# Altium PCB SPG300 Rev05.PcbDoc (part 5 of 8) (continued)
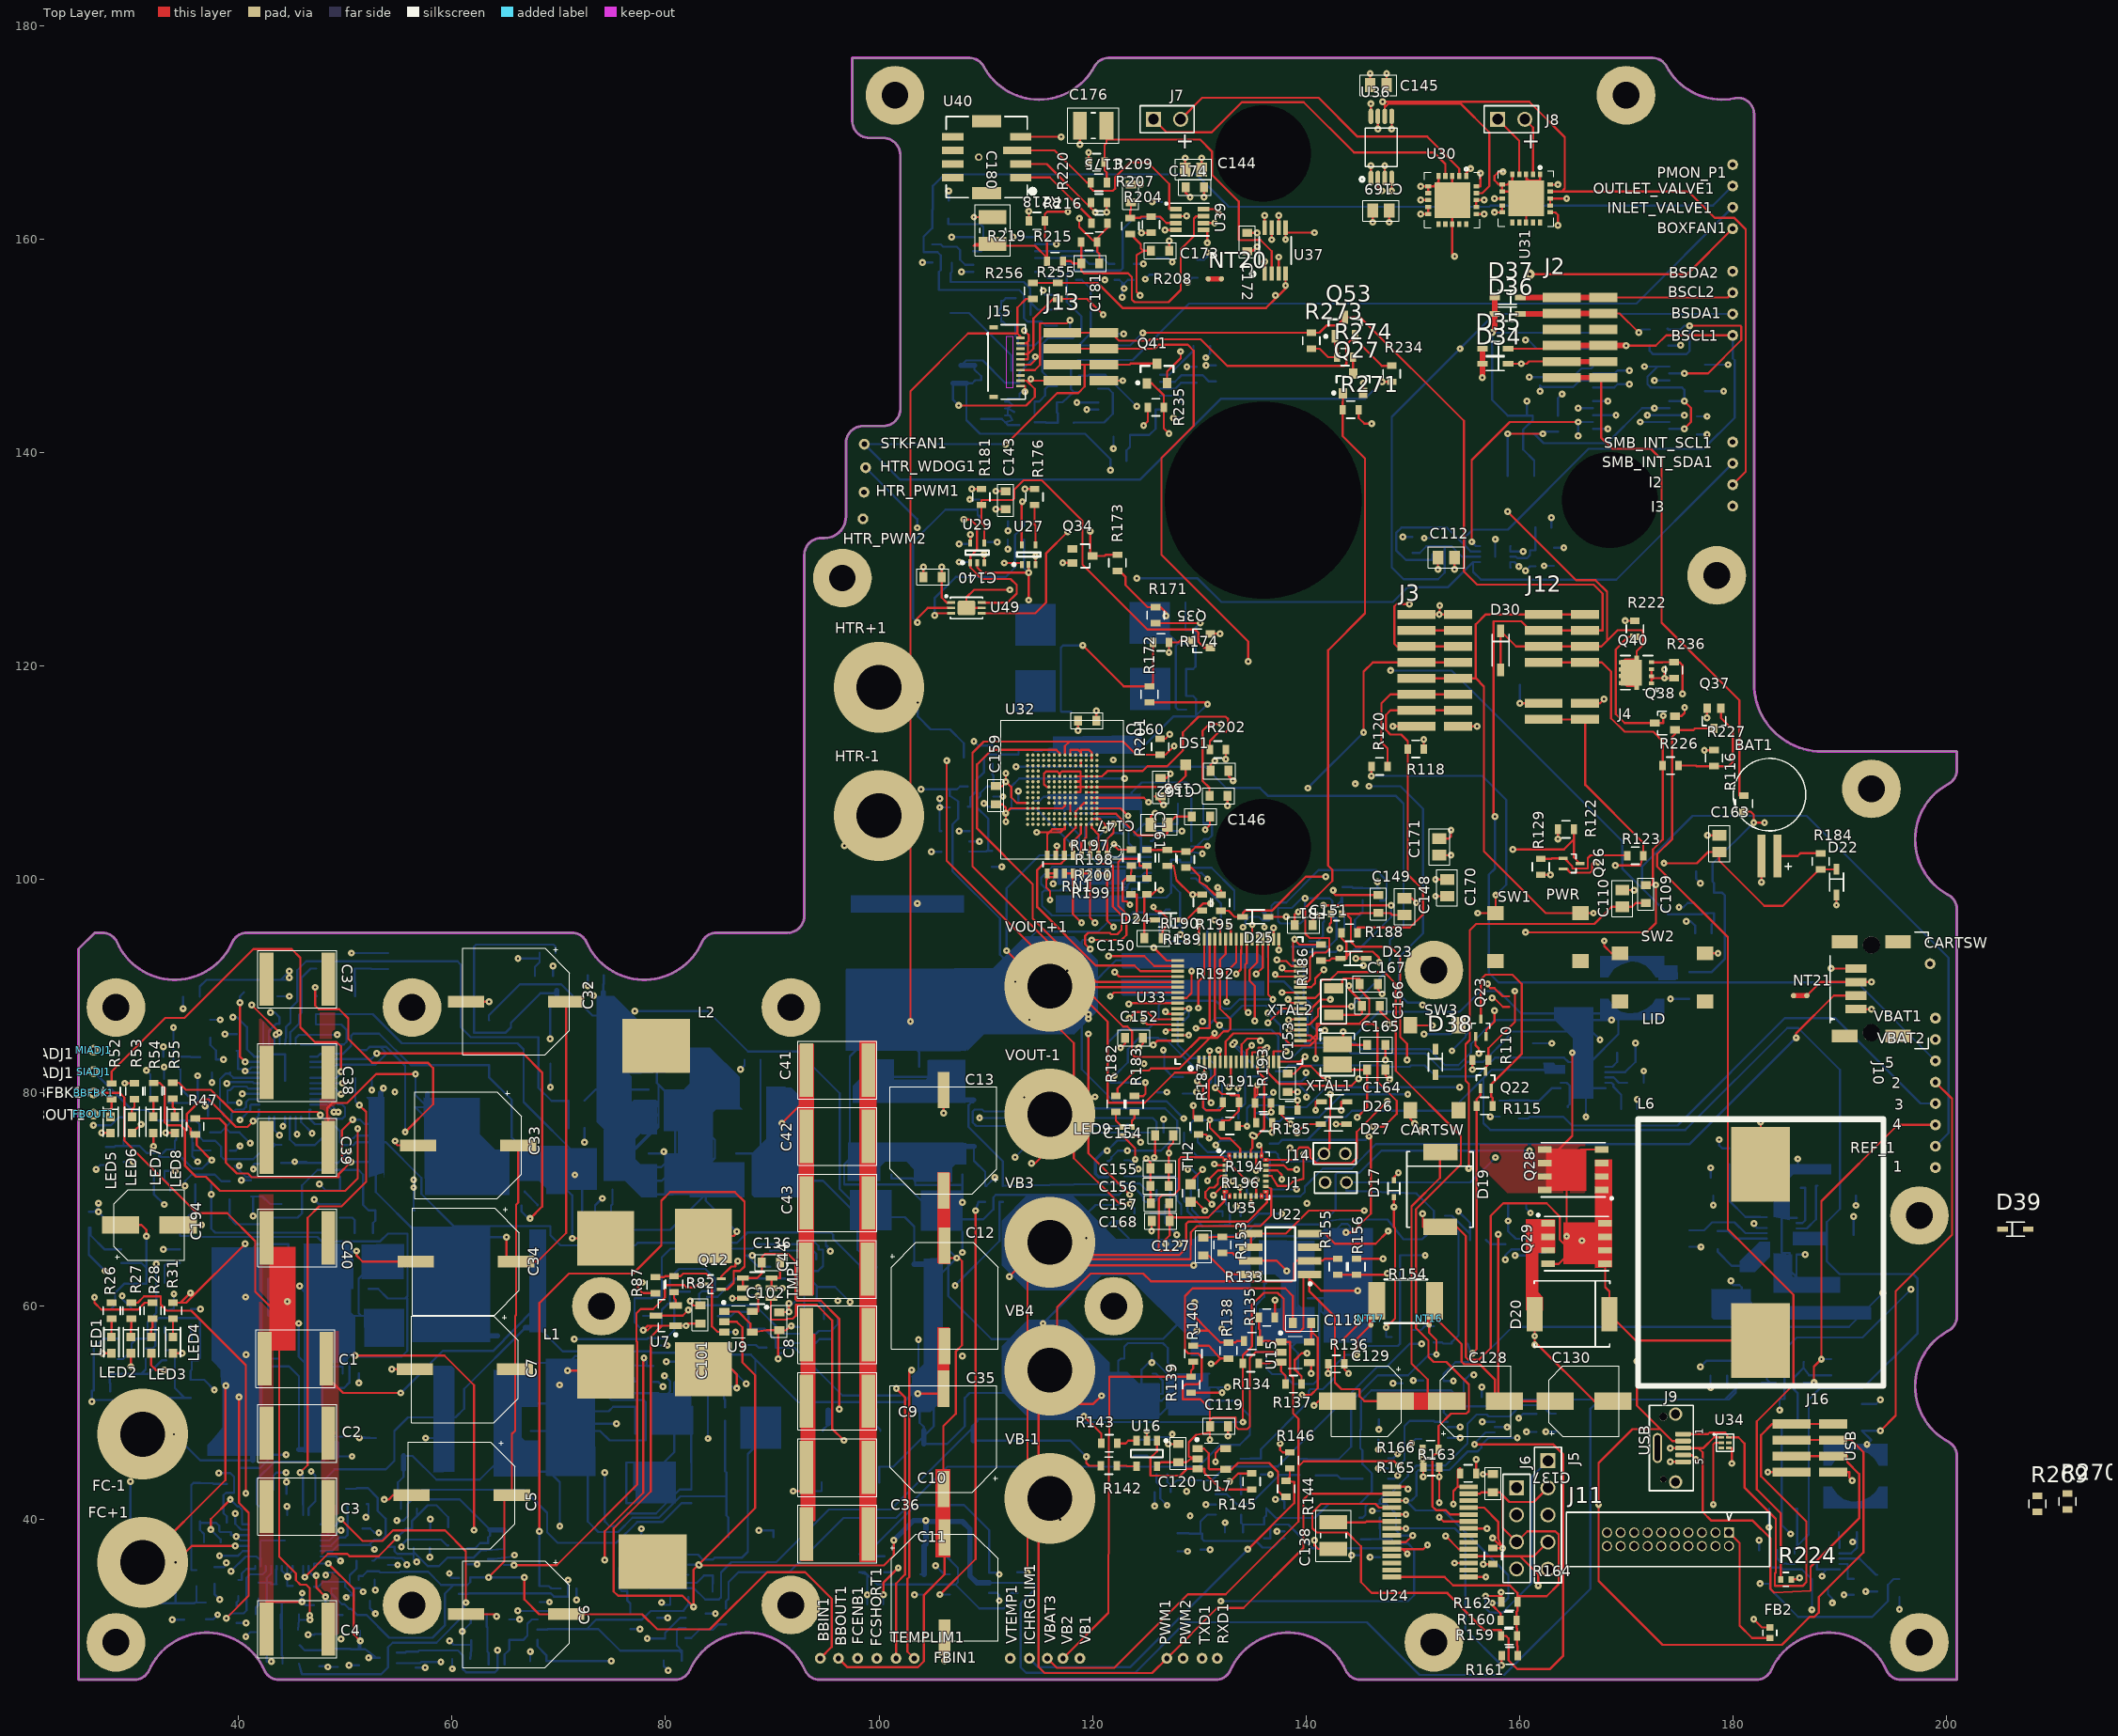
[diagram p0: Top Layer view]
## Nets (pads, with @x,y where several pads share a name; then routed paths per layer and width w, separated by ;. In a path a pad name is that pad's centre, name@x,y a point inside that pad or via, vN(x,y) a via of type N, cw(c..) or ccw(c..) an arc to the next point about the centre after c; other vN are vias at no path point) (continued)
  other v2: 116,42 31,48 116,78 100,106
HTR+: D21.C HTR+1.1 Q31.D1 Q31.D2 Q31.D3 Q31.D4 Q33.D1 Q33.D2 Q33.D3 Q33.D4
  other v2: 100,118
HTR_EN: HTR_WDOG1.1 U27.1 U29.1 U49.6 | length 38.3
  Top Layer w0.203: v1(107.95,133.731) 108.585,133.731 109.195,133.121 109.195,130.936 108.56,130.302 U29.1@108.56,129.699 108.56,129.235 109.627,128.168 112.344,128.168 112.903,127.61 112.903,126.797 112.056,125.95 U49.6@109.625,125.95 ; v1(111.735,129.667) 113.371,129.667 U27.1@113.371,129.524
  Layer 1 w0.203: v1(103.58,132.969) 109.144,132.969 110.439,131.674 ; v1(107.95,133.731) 108.179,133.502 109.423,133.502 110.439,132.486 110.439,131.674 ; v1(111.735,129.667) 110.439,130.962 110.439,131.674
  Bottom Layer w0.203: HTR_WDOG1.1@98.749,138.6 103.58,133.769 v1(103.58,132.969)
I2C3_SCL_S: D39.C J3.2 R268.1 U33.8 | length 3.9
  Top Layer w0.203: J3.2@150.375,123.35 J3.2@154.275,123.35
I2C3_SDA_S: D38.C J3.3 R267.1 U33.9 | length 74.6
  Top Layer w0.203: U33.9@133.977,82.9 133.977,84.543 134.518,85.085 135.555,85.085 v1(135.753,84.887) ; v1(149.708,125.806) 148.514,125.806 148.285,125.578 148.285,122.104 148.539,121.85 J3.3@150.375,121.85 J3.3@154.275,121.85 ; D38.C@152.148,84.094 D38.C@152.148,84.1
  Layer 1 w0.203: v1(135.753,84.887) 136.931,84.887 137.008,84.811 144.274,84.811 144.96,85.496 v1(151.079,85.496)
  Layer 2 w0.203: v1(149.708,125.806) 149.708,93.624 148.945,92.862 148.945,88.443 151.079,86.309 v1(151.079,85.496)
  Bottom Layer w0.203: v1(151.079,85.496) 153.568,85.496 R267.1@153.669,85.598
I2C_SCL: I2.1 R190.2 R192.1 U30.19 U31.19 U35.22 U36.6 U37.5 | length 215.8
  Top Layer w0.203: R190.2@128.751,101.125 129.235,101.125 130.048,100.312 130.048,99.75 130.711,99.344 131.495,98.561 R192.1@132.05,98.561 132.05,98.963 v1(131.75,99.263) ; v1(135.636,75.082) 135.849,74.869 U35.22@135.849,74.125 ; v1(138.1,159.971) U37.5@138.1,160.63 ; U37.5@138.1,161.098 U37.5@138.1,160.63 ; v1(140.818,160.63) U37.5@138.1,160.63 ; U36.6@147.4,171.525 147.4,172.368 ; U30.19@155.977,164.325 156.528,164.325 157.201,164.998 157.201,170.028 154.534,172.695 147.726,172.695 147.4,172.368 ; U31.19@162.9,164.477 163.982,164.477 ; I2.1@180,137 181.229,138.229 181.229,160.934 180.162,162.001 178.333,162.001 175.857,164.477 163.982,164.477 ; 147.4,172.368 147.4,172.691 v1(147.193,172.898) 160.934,172.898 164.262,169.57 164.262,164.757 163.982,164.477
  Layer 1 w0.203: v1(131.75,99.263) 130.835,98.349 130.645,98.349 130.442,98.146 130.442,97.474 130.79,97.126 130.79,94.696 128.397,92.304 128.397,80.287 129.235,79.449 129.845,79.449 130.929,78.364 135.199,78.364 135.809,77.755 135.809,75.255 v1(135.636,75.082) ; v1(140.818,160.63) 140.818,166.522 v1(147.193,172.898)
  Layer 2 w0.203: v1(131.75,99.263) 130.124,99.263 129.536,99.852 129.536,102.739 129.84,103.043 129.84,107.079 129.438,107.481 129.438,125.726 126.074,129.09 126.074,145.189 128.003,147.117 132.055,147.117 132.867,147.93 132.867,151.486 138.1,156.718 v1(138.1,159.971)
I2C_SCL_S: D25.C R192.2 U33.29 | length 27.5
  Top Layer w0.203: R192.2@132.05,97.061 132.766,97.061 133.327,96.5 D25.C@134.073,96.5 134.087,96.5 134.087,96.85 134.315,97.079 136.824,97.079 139.999,100.254 v1(141.859,100.254) ; v1(137.135,91.084) 137.135,90.9 U33.29@139.477,90.9
  Layer 1 w0.203: v1(137.135,91.084) 139.268,91.084 142.875,94.691 142.875,97.536 141.859,98.552 v1(141.859,100.254)
I2C_SDA: I3.1 R189.2 R195.1 U30.20 U31.20 U35.21 U36.5 U37.6 | length 225.6
  Top Layer w0.203: R189.2@127.026,101.274 127.61,101.274 127.889,99.933 v1@129.235,98.587 ; v1(129.388,98.577) v1@129.235,98.587 ; R195.1@130.275,98.587 v1@129.235,98.587 ; U35.21@136.249,73.725 138.901,73.725 139.141,73.965 139.141,74.625 139.395,74.879 140.208,74.879 140.411,74.676 140.411,73.965 140.995,73.381 144.272,73.381 144.78,73.889 144.78,76.352 v1(147.625,79.197) ; U37.6@137.45,161.098 v1(137.45,162.225) ; v1(148.049,170.348) U36.5@148.049,171.525 ; U30.20@155.977,164.975 156.357,164.975 v1(156.357,166.195) ; U31.20@162.9,165.127 163.625,165.127 v1(163.627,165.125)
  Layer 1 w0.203: v1(147.625,79.197) 147.625,79.781 154.254,86.411 159.309,86.411 163.805,90.907 163.805,101.956 175.209,113.36 179.019,113.36 181.559,115.9 181.559,133.441 I3.1@180,135 ; v1(148.049,170.348) 148.37,170.028 158.725,170.028 v1(163.627,165.125) 157.426,165.125 v1(156.357,166.195)
  Layer 2 w0.203: v1(129.388,98.577) 129.388,98.374 130.658,97.104 136.652,97.104 138.303,95.453 140.056,95.453 141.046,94.463 141.046,89.027 142.24,87.833 142.646,87.833 143.408,88.595 143.408,92.583 144.678,93.853 147.117,93.853 147.904,93.066 147.904,88.062 146.812,86.97 146.812,80.01 v1(147.625,79.197) ; v1(137.45,162.225) 139.927,162.225 v1(148.049,170.348) ; v1(163.627,165.125) 163.627,162.992 173.38,153.238 173.38,151.994 174.32,151.054 175.565,151.054 176.225,150.393 176.225,138.775 I3.1@180,135
I2C_SDA_S: D24.C R195.2 U33.30 | length 15.8
  Top Layer w0.203: D24.C@128.251,96.2 128.803,96.2 129.69,97.087 ; R195.2@130.275,97.087 129.69,97.087 ; v1(131.089,97.739) 130.342,97.739 129.69,97.087 ; v1(137.77,91.714) 138.083,91.4 U33.30@139.477,91.4
  Layer 1 w0.203: v1(131.089,97.739) 132.182,96.647 132.182,95.402 135.87,91.714 v1(137.77,91.714)
IBALSNK: C133.1 U21.1 U21.4 U23.6 U24.23 | length 32.6
  Top Layer w0.203: U24.23@148.051,37.88 149.377,37.88 v1(150.012,38.515)
  Bottom Layer w0.203: U21.4@145.028,40.174 145.33,40.174 145.593,40.437 145.593,41.25 145.817,41.474 U21.1@146.928,41.474 ; v1(150.012,38.515) 148.953,38.515 148.454,39.014 148.454,40.547 147.527,41.474 U21.1@146.928,41.474 ; C133.1@163.424,49.94 162.887,49.94 162.103,50.724 160.155,50.724 159.106,49.675 U23.6@157.7,49.675 157.124,49.675 156.943,49.856 156.003,49.856 155.143,48.997 155.143,47.142 153.06,45.06 150.343,45.06 149.581,44.298 149.581,44.094 147.726,42.24 147.309,42.24 146.928,41.859 U21.1@146.928,41.474
IBALSRC: C132.1 U20.1 U20.4 U23.7 U24.24 | length 40.3
  Top Layer w0.203: U24.24@148.051,37.231 149.078,37.231 ; v1(149.504,36.805) 149.078,37.231 ; v1(151.404,37.637) 150.997,37.231 149.078,37.231
  Layer 1 w0.203: v1(156.523,49.175) 156.853,49.505 v1(159.944,49.505)
  Layer 2 w0.203: v1(151.404,37.637) 151.404,38.031 154.457,41.085 154.457,43.129 156.845,45.517 156.845,48.852 v1(156.523,49.175)
  Bottom Layer w0.203: U20.4@136.102,38.25 136.67,38.25 136.67,39.263 136.957,39.55 U20.1@138.002,39.55 138.373,39.55 140.61,37.313 148.996,37.313 v1(149.504,36.805) ; v1(156.523,49.175) U23.7@157.7,49.175 ; v1(159.944,49.505) 160.364,49.925 C132.1@161.599,49.925
ICHARGE: R96.1 U11.3 | length 5
  Bottom Layer w0.203: R96.1@89.799,65.2 89.941,65.2 89.941,65.227 93.801,65.227 94.125,64.903 U11.3@94.125,64.416
ICHRGLIM: D14.1 ICHRGLIM1.1 R144.1 R146.2 U11.1 U11.4 | length 86.5
  Top Layer w0.203: v1(134.565,37.214) 138.905,41.554 138.905,43.53 R144.1@138.15,43.65 138.5,44 R146.2@138.5,44.8
  Layer 2 w0.203: v1(97.282,60.401) 102.89,54.793 103.226,54.793 108.915,49.104 108.915,32.184 ICHRGLIM1.1@114.1,27
  Bottom Layer w0.203: U11.1@92.225,64.416 92.225,63.858 94.16,61.923 U11.4@94.16,61.798 ; D14.1@94.85,58.826 94.85,59.944 94.16,60.634 U11.4@94.16,61.786 U11.4@94.16,61.798 ; v1(97.282,60.401) 95.885,61.798 U11.4@94.16,61.798 ; ICHRGLIM1.1@114.1,27 114.938,26.162 123.513,26.162 v1(134.565,37.214)
INLET_VALVE+: J15.9 NT23.1 | length 12.2
  Top Layer w0.203: v1(107.467,144.424) 113.792,144.424 114.605,145.237 114.605,145.974 113.829,146.75 J15.9@113.25,146.75
  Bottom Layer w0.203: NT23.1@106.95,146.519 106.95,144.942 v1(107.467,144.424)
INLET_VALVE-: D29.A J15.10 Q39.D1 Q39.D2 Q39.D3 Q39.D4 | length 11.8
  Top Layer w0.203: J15.10@113.25,146.25 113.69,146.25 v1(113.69,145.72)
  Bottom Layer w0.203: D29.A@109.573,143.151 111.527,143.151 Q39.D1@111.828,142.85 ; Q39.D2@111.828,143.5 Q39.D2@112.065,143.5 ; Q39.D3@111.828,144.15 Q39.D3@112.065,144.15 ; Q39.D4@112.668,143.825 Q39.D3@112.065,144.15 ; Q39.D4@113.178,142.6 112.078,142.6 Q39.D1@111.828,142.85 ; v1(113.69,145.72) 113.386,145.72 113.178,145.512 Q39.D4@113.178,145.05 112.078,145.05 Q39.D4@111.828,144.8 112.168,144.8 112.492,144.475 112.29,144.321 Q39.D3@112.065,144.15 ; Q39.D1@111.828,142.85 112.492,143.053 112.248,143.5 Q39.D2@112.065,143.5 ; Q39.D2@112.065,143.5 Q39.D3@112.065,144.15
IOS+: NT24.1 R237.2 U44.1 | length 21.7
  Layer 2 w0.203: v1(110.869,72.085) v1(112.751,73.967)
  Bottom Layer w0.203: NT24.1@108.899,74.992 108.899,73.646 109.951,72.593 R237.2@109.951,71.275 110.058,71.275 v1(110.869,72.085) ; v1(112.751,73.967) 115.056,76.272 U44.1@125.379,76.272
IOS-: NT25.1 R238.2 U44.16 | length 23.8
  Bottom Layer w0.203: NT25.1@108.857,79.35 108.857,79.121 108.661,79.121 108.382,78.842 108.382,76.81 111.608,73.584 R238.2@111.608,71.275 ; U44.16@125.379,70.873 125.07,70.873 124.446,71.496 122.68,71.496 R238.2@111.608,71.275 ; R238.2@111.608,71.275 R238.2@111.601,71.275 R238.2@111.608,71.275
JTDO-TRACESWO: J11.6 U33.55 | length 109.9
  Top Layer w0.203: v1(121.666,89.052) 122.014,89.4 U33.55@127.977,89.4
  Layer 1 w0.203: v1(128.829,42.647) 148.082,42.647 149.149,43.713 150.19,43.713 150.698,43.205 157.505,43.205 158.293,43.993 163.144,43.993 167.437,39.7 167.437,37.135 167.843,36.728 176.328,36.728 J11.6@177.114,37.515
  Layer 2 w0.203: v1(121.666,89.052) 121.666,83.82 122.702,82.784 122.702,78.361 126.551,74.512 126.551,70.706 128.829,68.428 v1(128.829,42.647)
LIDSW: J4.2 R123.2 SW2.1 | length 32
  Top Layer w0.203: J4.2@162.275,115.001 J4.2@166.175,115.001 166.192,115.001 166.192,108.862 171.626,103.429 R123.2@171.626,102.223 171.346,101.321 v1(168.986,101.321) ; v1(167.964,94.253) 167.964,93.768 168.656,93.076 SW2.1@169.451,93.076
  Layer 2 w0.203: v1(167.964,94.253) 168.986,95.275 v1(168.986,101.321)
MCLK: U1.10 U2.11 | length 71.9
  Top Layer w0.203: v1(38.837,30.759) 40.94,32.862 40.94,40.653 40.03,41.562 v1(40.03,51.486)
  Layer 2 w0.203: v1(39.446,87.097) 39.446,82.907 38.252,81.713 38.252,54.621 40.03,52.843 v1(40.03,51.486)
  Bottom Layer w0.203: v1(38.837,30.759) 39.294,31.217 40.462,31.217 40.742,31.496 40.742,34.569 41.046,34.874 42.271,34.874 42.55,35.154 U1.10@42.55,35.65 ; v1(39.446,87.097) 39.827,87.097 40.767,86.157 40.767,84.087 41.453,83.401 U2.11@41.938,83.401
MIADJ: C26.1 MIADJ1.1 R32.1 R93.2 U1.38 | length 101.3
  Layer 1 w0.203: MIADJ1.1@26.4,84 25.578,83.178 25.578,42.977 34.442,34.112 42.647,34.112 43.917,35.382 45.11,35.382 45.542,34.95 45.542,34.341 45.923,33.96 48.539,33.96 49.53,34.95 v1(49.53,36.144) 50.597,35.077 58.395,35.077 ; v1(55.753,35.763) 55.601,35.763 55.55,35.712 56.083,35.179 58.293,35.179 58.395,35.077 ; v1(59.766,28.651) 59.766,33.706 58.395,35.077
  Bottom Layer w0.203: U1.38@47.7,36.55 49.124,36.55 v1(49.53,36.144) ; R32.1@52.541,36.143 52.679,36.143 52.984,36.449 54.592,36.449 54.661,36.38 55.27,36.38 55.753,35.898 v1(55.753,35.763) ; v1(59.766,28.651) 60.147,28.27 R93.2@61.801,28.27 ; C26.1@61.714,26.951 61.801,27.849 R93.2@61.801,28.27 ; R93.2@61.801,28.701 R93.2@61.801,28.27
MLDO33: C27.1 Q12.2 R20.1 R22.2 R86.1 R92.2 U1.4 U1.37 | length 117.6
  Top Layer w0.203: Q12.2@85.219,62.575 85.219,62.791 86.157,63.729 86.538,63.729 86.538,64.008 v1(86.766,64.237)
  Layer 1 w0.203: v1(52.73,37.211) 53.155,36.787 55.882,36.787 56.306,37.211 62.255,37.211 65.608,33.858 67.545,33.858 v1(69.128,32.275)
  Layer 2 w0.203: v1(69.128,32.275) 70.136,33.282 74.303,33.282 74.727,33.706 ; v1(86.563,57.582) 85.75,56.769 85.75,44.729 74.727,33.706 ; v1(86.766,64.237) 82.557,64.237 72.974,54.654 72.974,37.44 70.231,34.696 70.231,33.934 70.46,33.706 74.727,33.706
  Bottom Layer w0.203: U1.37@47.7,37.05 48.768,37.05 49.342,37.625 C27.1@51.624,37.625 52.317,37.625 ; R22.2@50.076,42.887 51.003,42.887 51.066,42.95 R20.1@52.023,42.95 52.121,42.95 53.013,42.058 53.013,40.846 53.763,40.097 53.763,38.446 53.442,38.125 52.73,38.125 52.317,37.712 52.317,37.625 ; v1(52.73,37.211) 52.317,37.625 ; R86.1@68.226,32.275 v1(69.128,32.275) ; R92.2@84.924,57.58 86.562,57.58 v1(86.563,57.582)
MSHDN: C19.1 C107.1 Q16.3 R16.1 R21.2 R103.1 R106.2 U1.1 | length 29
  Top Layer w0.203: v1(48.387,35.89) 50.775,33.503 50.775,29.261 v1(51.41,28.626)
  Layer 2 w0.203: v1(52.172,27.05) 52.172,32.783 v1(52.798,33.41)
  Bottom Layer w0.203: C19.1@45.725,28.226 46.202,27.749 R21.2@47.57,27.749 48.336,27.749 48.487,27.9 C107.1@49.275,27.9 50.461,27.9 50.511,27.85 R106.2@51.25,27.85 ; U1.1@47.05,35.65 47.05,35.89 v1(48.387,35.89) ; R103.1@51.375,29.575 51.375,28.751 51.25,28.626 R106.2@51.25,27.85 ; v1(51.41,28.626) R106.2@51.41,27.85 ; v1(52.172,27.05) Q16.3@52.934,27.05 ; R16.1@52.74,34.375 52.74,33.467 v1(52.798,33.41) ; Q16.3@53.201,27.05 Q16.3@52.934,27.05 ; R106.2@51.25,27.85 R106.2@51.41,27.85 ; R106.2@51.41,27.85 51.816,27.85 Q16.3@52.934,27.05
NetBAT1_Plus: BAT1.PLUS C163.1 R184.1 U33.1 | length 4.2
  Top Layer w0.203: BAT1.PLUS@184.199,102.2 186.08,102.2 186.331,102.45 R184.1@188.251,102.45
NetBOXFAN1_1: BOXFAN1.1 D30.A D30.C J12.3 Q40.D1 Q40.D2 Q40.D3 Q40.D4 | length 95.3
  Top Layer w0.203: D30.A@158.25,119.65 D30.C@158.25,123.3 159.701,121.85 J12.3@162.275,121.85 J12.3@166.175,121.85 167.697,121.85 168.224,122.377 ; v1(158.9,134.476) 165.335,128.041 167.148,128.041 168.224,126.965 168.224,122.377 ; v3(160.971,156.718) 175.718,156.718 BOXFAN1.1@180,161 ; Q40.D4@169.65,118.405 Q40.D4@169.824,118.405 ; Q40.D3@169.65,119.055 Q40.D3@169.847,119.055 ; Q40.D2@169.65,119.705 Q40.D2@169.901,119.705 ; Q40.D2@169.874,119.782 170.302,119.929 170.078,120.355 Q40.D1@169.65,120.355 169.9,120.605 Q40.D4@171,120.605 171,121.394 171.602,121.996 171.602,123.368 169.215,123.368 168.224,122.377 ; Q40.D4@170.49,119.38 170.226,119.38 Q40.D2@169.901,119.705 ; Q40.D4@171,118.155 170.074,118.155 Q40.D4@169.824,118.405 ; Q40.D4@169.824,118.405 169.847,119.048 Q40.D3@169.847,119.055 ; Q40.D3@169.847,119.055 170.952,119.055 170.302,119.705 Q40.D2@169.901,119.705
  Layer 2 w0.203: v1(158.9,134.476) 158.9,136.3 153.35,141.85 153.35,146.115 160.971,153.736 v3(160.971,156.718)
NetC14_1: C14.1 D5.C U1.23 | length 18.2
  Layer 1 w0.203: v1(38.125,44.374) 44.425,44.374 v1(44.45,44.399)
  Bottom Layer w0.203: v1(38.125,44.374) 39.218,44.374 39.573,44.018 39.573,42.52 38.811,42.52 38.583,42.291 38.583,40.603 38.876,40.31 D5.C@38.876,39.75 ; U1.23@43.05,40.45 43.05,42.633 43.242,42.824 C14.1@43.242,43.531 43.242,44.1 43.541,44.399 v1(44.45,44.399)
NetC14_2: C14.2 D1.A D2.C L1.1 Q2.S1 Q2.S2 Q2.S3 Q3.D1 Q3.D2 Q3.D3 Q3.D4 U1.21 | length 80.2
  Top Layer w0.203: L1.1@83.544,54.095 86.214,54.095 86.665,53.645 v1(86.665,52.322)
  Layer 1 w0.203: v1(51.308,47.65) 54.559,44.399 v1(74.312,44.399)
  Bottom Layer w0.203: U1.21@42.05,40.45 42.05,41.105 41.692,41.464 C14.2@41.692,43.531 41.692,43.759 43.373,45.441 47.854,45.441 48.336,45.923 48.336,47.346 48.768,47.777 51.308,47.777 51.318,47.777 D1.A@52.858,47.653 51.31,47.653 v1(51.308,47.65) ; v1(74.312,44.399) D2.C@74.312,40.937 74.312,39.827 74.744,39.395 75.26,39.395 76.449,40.584 79.09,40.584 81.321,42.814 Q2.S3@82.419,42.814 Q2.S2@82.419,44.084 Q2.S1@82.419,45.354 82.398,45.354 Q3.D4@82.398,48.044 ; Q3.D2@82.51,50.584 Q3.D3@82.51,49.314 Q3.D4@82.51,48.044 Q3.D4@82.398,48.044 ; Q3.D1@82.51,51.854 Q3.D1@82.499,51.854 ; v1(86.665,52.322) 86.413,52.322 85.852,52.883 82.906,52.883 82.499,52.476 Q3.D1@82.499,51.854 ; Q3.D4@82.398,48.044 81.763,48.044 81.763,51.854 Q3.D1@82.499,51.854
NetC15_1: C15.1 C18.2 R12.2 U1.3 | length 20.7
  Top Layer w0.203: v1(46.19,34.608) 48.362,36.779 50.19,36.779 50.394,36.576 53.111,36.576 v1(54.813,38.278)
  Bottom Layer w0.203: U1.3@46.05,35.65 46.05,34.748 v1(46.19,34.608) ; v1(54.813,38.278) 55.677,39.141 C15.1@56.249,39.141 ; C15.1@56.249,39.134 C15.1@56.249,39.141 ; R12.2@56.7,41.023 56.7,40.342 ; C18.2@59.62,39.285 59.639,39.285 59.639,40.234 58.522,41.351 57.709,41.351 56.7,40.342 ; C15.1@56.249,39.141 56.249,39.853 ; 56.249,39.853 56.249,39.891 56.7,40.342 ; 56.249,39.853 56.7,40.303 56.7,40.342
NetC16_2: C16.2 D3.A D4.C L1.2 Q1.D1 Q1.D2 Q1.D3 Q1.D4 Q4.D1 Q4.D2 Q4.D3 Q4.D4 Q5.S1 Q5.S2 Q5.S3 U1.19 | length 121
  Top Layer w0.203: v1(37.389,39.065) 37.389,40.056 v1(39.218,41.885) ; v1(70.815,53.975) 74.369,53.975 L1.2@74.369,53.87
  Layer 1 w0.203: v1(39.218,41.885) 36.48,44.623 36.48,49.068 36.48,52.532 37.389,53.442 69.266,53.442 v1(70.079,52.629)
  Bottom Layer w0.203: v1(37.389,39.065) 38.299,38.155 C16.2@38.299,37.875 ; v1(39.218,41.885) 39.873,41.229 40.03,41.229 40.31,40.95 40.31,39.55 U1.19@40.9,39.55 ; v1(70.079,52.629) 70.878,53.428 71.362,53.428 ; v1(70.815,53.975) 71.362,53.428 ; Q4.D4@72.644,50.888 72.669,50.888 Q4.D3@72.669,52.158 ; Q4.D3@72.644,52.158 Q4.D3@72.669,52.158 ; Q4.D1@72.644,54.698 Q4.D2@72.644,53.428 ; Q1.D3@72.721,45.773 72.187,46.307 ; Q1.D2@72.721,47.043 Q1.D1@72.721,48.313 ; Q5.S3@85.578,49.273 Q5.S2@85.578,48.003 Q5.S1@85.578,46.733 85.578,44.543 85.697,44.425 D3.A@85.697,42.26 D3.A@85.697,42.189 ; D4.C@85.888,38.359 85.888,40.208 85.697,40.399 D3.A@85.697,42.189 ; 71.362,53.428 Q4.D2@72.644,53.428 ; 72.187,46.307 72.187,47.78 ; 72.187,46.307 72.187,44.503 Q1.D4@72.721,44.503 72.72,39.827 73.711,38.837 75.565,38.837 76.906,40.178 79.375,40.178 81.387,42.189 D3.A@85.697,42.189 ; 72.187,46.307 71.984,46.51 71.984,47.576 72.187,47.78 ; 72.187,47.78 72.187,48.313 Q1.D1@72.721,48.313 ; 72.187,47.78 Q1.D1@72.721,48.313 ; Q4.D2@72.644,53.428 72.669,53.428 Q4.D3@72.669,52.158 ; Q4.D3@72.669,52.158 73.965,52.158 74.916,51.206 77.927,51.206 78.13,51.003 78.13,47.422 74.752,47.422 73.861,48.313 Q1.D1@72.721,48.313
NetC17_1: C17.1 C18.1 R14.1 U1.2 | length 21.2
  Top Layer w0.203: v1(47.269,34.773) 47.269,33.63 v1(48.133,32.766)
  Layer 2 w0.203: v1(48.133,32.766) 49.149,32.766 51.345,34.962 52.767,34.962 v1(55.245,37.44)
  Bottom Layer w0.203: U1.2@46.55,35.65 46.55,35.154 46.931,34.773 v1(47.269,34.773) ; v1(48.133,32.766) 48.133,30.975 C17.1@48.15,30.975 48.895,30.975 48.994,31.074 R14.1@49.749,31.074 ; v1(55.245,37.44) 55.245,37.596 55.778,38.129 58.968,38.129 59.512,37.585 C18.1@59.62,37.585
NetC20_1: C20.1 R19.1 U1.34 | length 51.3
  Top Layer w0.203: v1(49.581,40.03) 51.613,37.998 53.467,37.998 54.458,38.989 59.334,38.989 61.29,37.033 v1(61.29,32.233)
  Layer 1 w0.203: v1(48.158,34.798) 47.757,35.199 47.757,38.207 v1(49.581,40.03)
  Bottom Layer w0.203: C20.1@45.651,26.5 45.923,25.502 53.34,25.502 54,26.162 54,28.042 54.432,28.473 58.522,28.473 61.138,31.09 61.138,32.08 v1(61.29,32.233) ; U1.34@47.7,38.55 48.336,38.55 ; v1(48.158,34.798) 48.41,35.049 R19.1@49.224,35.049 ; 48.336,38.55 48.344,38.56 ; 48.336,38.55 48.344,38.559 48.344,38.56 ; 48.344,38.56 v1(49.581,40.03) 48.344,38.794 48.344,38.56
NetC23_1: C23.1 C24.1 R18.1 U1.15 U1.35 | length 54.6
  Top Layer w0.203: v1(34.075,36.005) 35.62,37.55 v1(39.675,37.55)
  Layer 2 w0.203: v1(29.845,43.561) 33.579,39.827 48.743,39.827 v1(49.581,38.989)
  Bottom Layer w0.203: v1(29.845,43.561) 29.845,33.223 30.893,32.175 34.075,32.175 ; v1(34.075,36.005) 34.075,32.175 ; R18.1@36.05,33.775 36.05,32.225 ; C24.1@36.925,32.225 36.05,32.225 ; v1(39.675,37.55) U1.15@40.9,37.55 ; U1.35@47.7,38.05 48.489,38.05 49.427,38.989 v1(49.581,38.989) ; 34.075,32.175 C23.1@34.875,32.175 35.865,32.175 35.915,32.225 36.05,32.225
NetC28_1: C28.1 R33.2 U1.7 | length 15.7
  Layer 1 w0.203: v1(44.602,34.646) 44.602,32.512 45.471,31.643 49.017,31.643 v1(50.089,32.715)
  Bottom Layer w0.203: U1.7@44.05,35.65 44.05,35.198 v1(44.602,34.646) ; C28.1@47.05,33.7 47.456,33.7 47.919,34.163 49.987,34.163 49.987,33.704 50.778,32.913 ; v1(50.089,32.715) 50.286,32.913 50.778,32.913 ; R33.2@50.798,32.401 50.798,32.893 50.778,32.913
NetC29_1: C29.1 U1.9 | length 19.8
  Layer 2 w0.203: v1(38.227,32.512) 39.522,32.512 43.053,28.981 v1(43.053,26.695)
  Bottom Layer w0.203: C29.1@37.75,34 37.75,32.989 v1(38.227,32.512) ; U1.9@43.05,35.65 43.05,34.95 42.621,34.521 42.621,26.695 v1(43.053,26.695)
NetC30_1: C30.1 R29.1 | length 1.6
  Bottom Layer w0.203: C30.1@41.599,31.151 41.599,31.75 41.851,32.001 R29.1@41.851,32.6
NetC31_1: C31.1 R29.2 U1.8 | length 3.6
  Bottom Layer w0.203: R29.2@41.851,34.1 43.028,34.1 43.028,33.95 C31.1@43.515,33.95 ; C31.1@43.55,33.95 C31.1@43.515,33.95 ; U1.8@43.55,35.65 43.55,35.326 43.515,35.326 C31.1@43.515,33.95
NetC45_1: C45.1 C49.2 R45.2 U2.3 | length 48.2
  Layer 2 w0.203: v1(41.072,75.286) 51.232,75.286 57.079,81.133 63.816,81.133 v1(72.7,90.018)
  Bottom Layer w0.203: C45.1@37.35,76.308 38.303,76.308 38.745,76.749 ; v1(41.072,75.286) 40.064,76.294 C49.2@39.2,76.294 38.745,76.749 ; U2.3@41.938,79.401 40.945,79.401 40.686,79.141 40.686,78.689 40.437,78.44 39.731,78.44 39.319,78.029 39.319,77.324 38.745,76.749 ; v1(72.7,90.018) R45.2@72.7,91.001
NetC46_1: C46.1 D12.C U2.17 | length 8.4
  Bottom Layer w0.203: U2.17@44.838,84.551 44.838,85.669 45.681,86.512 C46.1@45.681,86.65 45.681,87.305 45.905,87.53 45.905,90.819 46.736,91.649 D12.C@47.274,91.649
NetC46_2: C46.2 D7.C D10.A L2.2 Q6.D1 Q6.D2 Q6.D3 Q6.D4 Q9.D1 Q9.D2 Q9.D3 Q9.D4 Q10.S1 Q10.S2 Q10.S3 U2.19 | length 109.9
  Top Layer w0.203: L2.2@83.55,66.588 86.4,66.588 86.665,66.853 v1(86.665,66.994)
  Bottom Layer w0.203: U2.19@45.838,84.551 45.838,84.531 49.86,84.531 50.128,84.799 50.128,85.889 49.606,86.411 47.231,86.411 C46.2@47.231,86.65 47.231,87.376 52.554,87.376 55.288,84.642 66.132,84.642 66.7,84.074 66.7,79.146 72.187,73.66 72.187,68.123 73.152,67.158 80.431,67.158 Q9.D4@83.769,70.495 ; D7.C@83.412,82.9 83.412,81.458 83.729,81.14 Q6.D1@83.729,80.306 83.388,80.306 83.388,79.4 83.033,79.045 83.033,79.036 ; Q6.D4@83.729,76.496 84.633,75.592 84.633,73.889 Q9.D2@83.779,73.035 ; Q6.D3@83.729,77.766 83.21,77.766 83.21,77.038 ; Q6.D2@83.729,79.036 83.033,79.036 ; Q9.D3@83.779,71.765 Q9.D2@83.779,73.035 ; Q9.D1@83.779,74.305 Q9.D2@83.779,73.035 ; D10.A@86.142,79.5 86.142,79.045 85.217,79.045 83.21,77.038 ; Q10.S1@86.629,70.495 Q9.D4@83.779,70.495 ; Q10.S2@86.629,71.765 85.827,71.765 84.557,73.035 ; Q10.S3@86.629,73.035 84.557,73.035 ; v1(86.665,66.994) 83.769,69.89 Q9.D4@83.769,70.495 ; 83.033,76.86 83.21,77.038 ; 83.033,76.86 83.033,77.766 83.033,79.036 ; 83.033,76.86 83.033,76.496 83.033,73.035 Q9.D2@83.21,73.035 ; Q9.D2@83.21,73.035 83.21,77.038 ; Q9.D2@83.21,73.035 Q9.D2@83.779,73.035 ; Q9.D4@83.769,70.495 Q9.D4@83.779,70.495 ; Q9.D4@83.779,70.495 83.033,71.242 83.033,72.289 Q9.D2@83.779,73.035 ; Q9.D2@83.779,73.035 84.557,73.035
NetC47_1: C47.1 D11.C U2.23 | length 44
  Top Layer w0.203: v1(47.168,89.891) 47.168,88.189 47.523,87.833 49.403,87.833 50.267,86.97 50.267,85.065 52.502,82.829 57.709,82.829 58.217,82.321 58.217,78.943 v1(55.601,76.327)
  Bottom Layer w0.203: U2.23@46.738,82.401 48.915,82.401 49.154,82.64 52.832,82.64 53.797,83.605 53.797,83.769 53.238,84.328 ; v1(47.168,89.891) 47.168,89.074 D11.C@47.3,89.074 ; C47.1@51.489,83.999 51.968,83.999 52.297,84.328 53.238,84.328 ; v1(55.601,76.327) 55.601,82.525 53.797,84.328 53.238,84.328